# Altium PCB MCU065E1_LAUNCHCC3235MODA_PCB.PcbDoc (part 4 of 4)
Units mil, origin at the board's own origin, x right, y up, seen from the top; angles counter-clockwise.
Board outline 2300 x 4280 mil, 4 copper layers (TOP, GND, PWR, BOTTOM), stack 62 mil thick; 300 components, 199 nets, 970 pads, 475 vias.
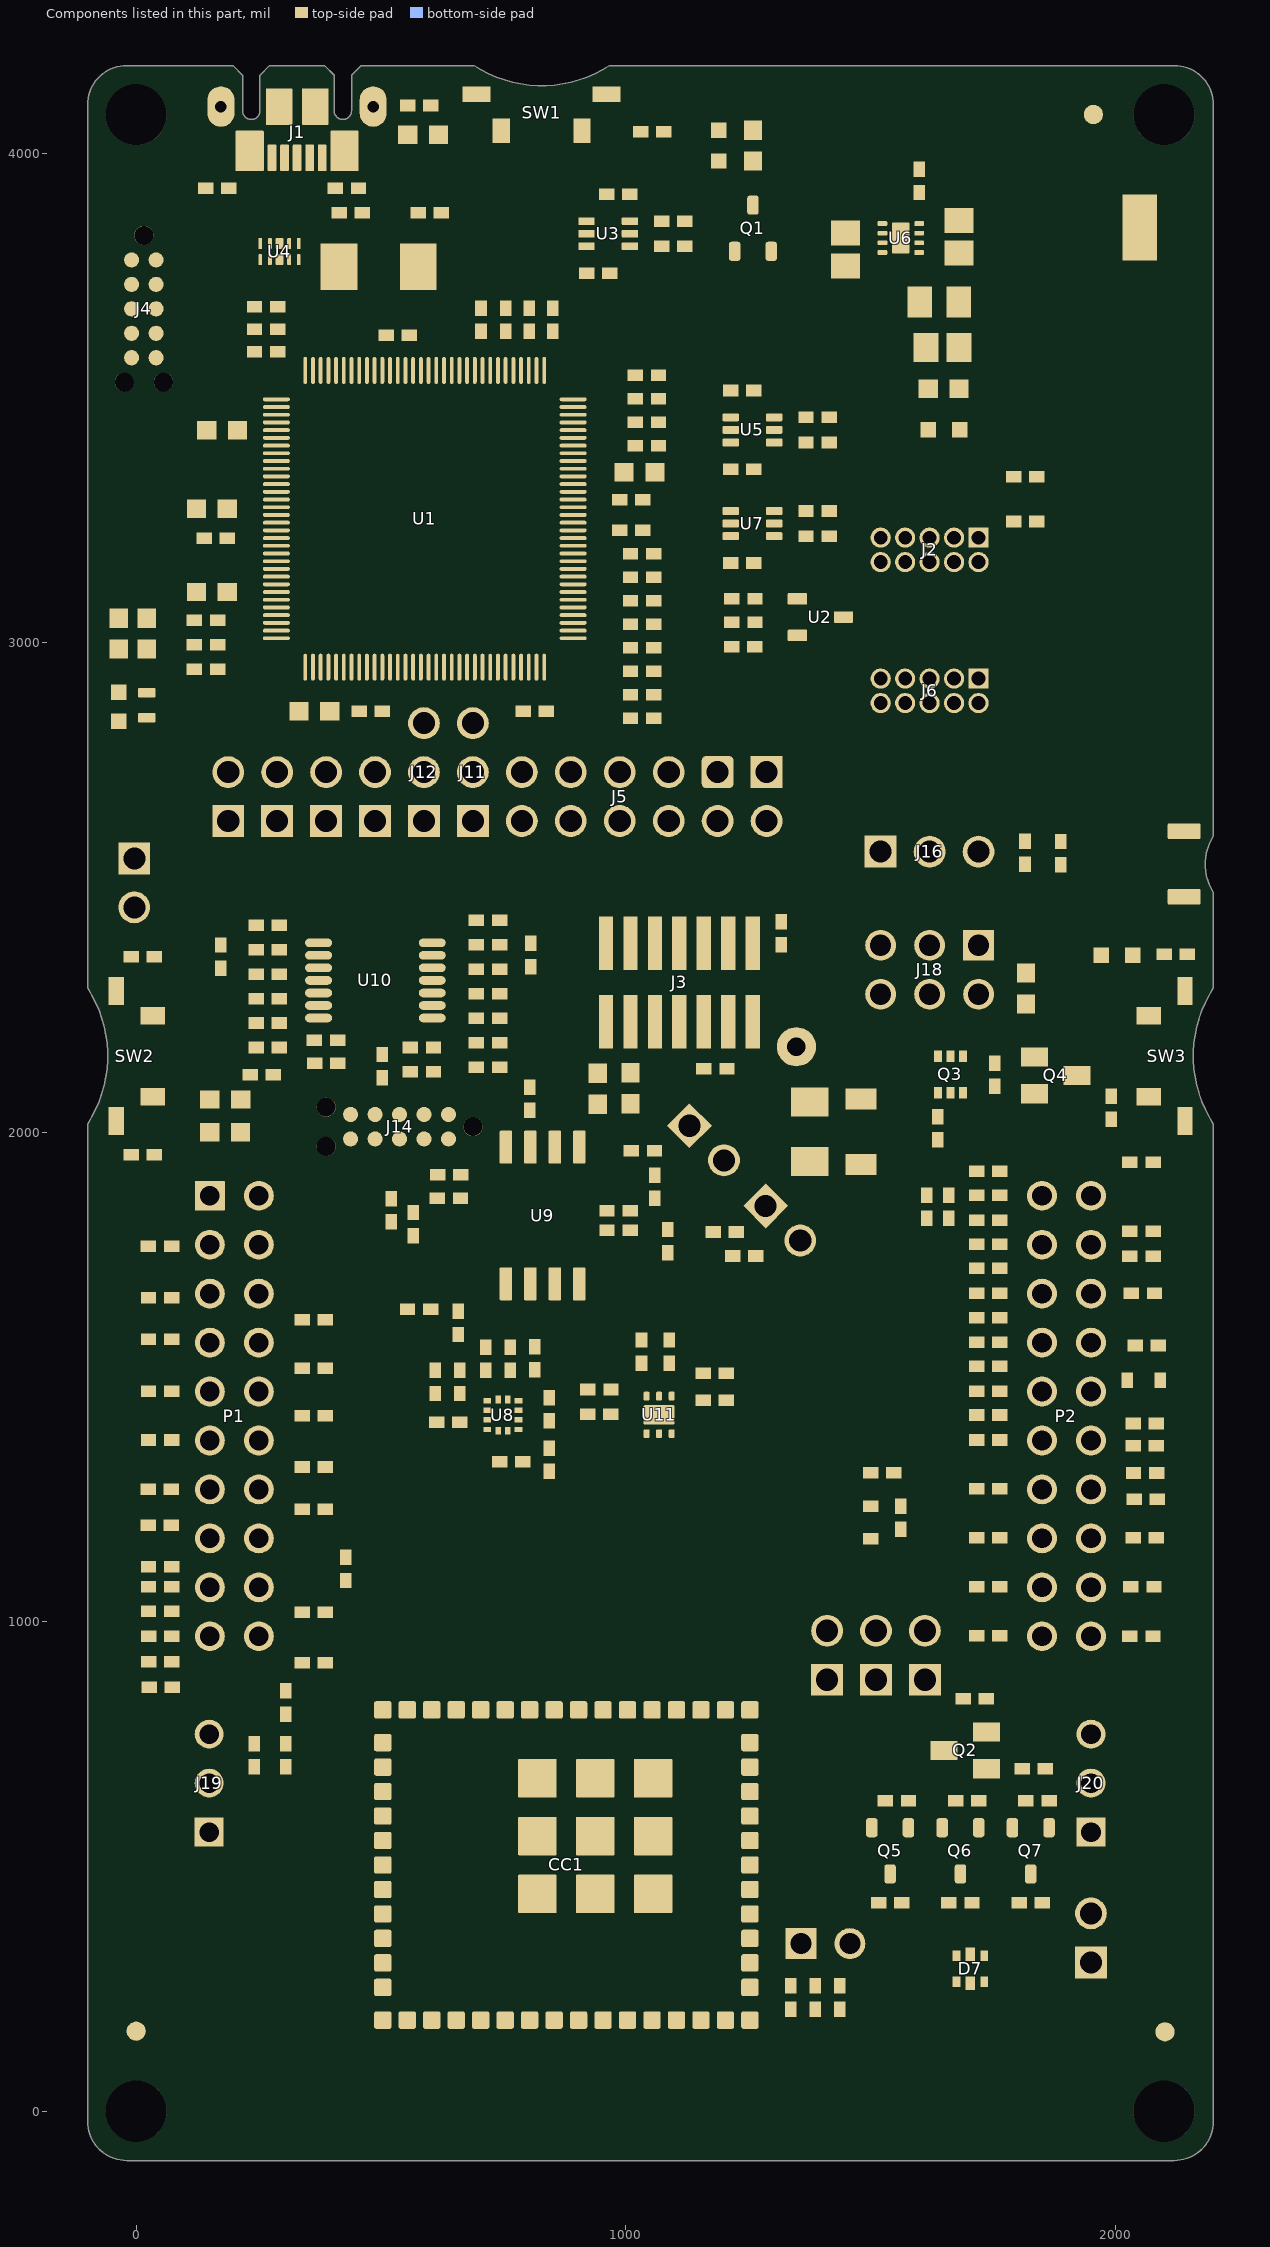
[diagram p6: the components of this part, seen from the top]

## Polygon pours and split planes (outlines as drawn)
no net on M4 3D STEP Bottom "M4 3D STEP Bottom-No Net" (solid, pour order 341): 2155.79,401.26 ccw(c2095.79,401.26) 2095.79,461.26 ccw(c2095.79,401.26) 2035.79,401.26 ccw(c2095.79,401.26) 2095.79,341.26 ccw(c2095.79,401.26) 2155.79,401.26
no net on M4 3D STEP Bottom "M4 3D STEP Bottom-No Net" (solid, pour order 342): 60.79,366.26 ccw(c0.79,366.26) 0.79,426.26 ccw(c0.79,366.26) -59.21,366.26 ccw(c0.79,366.26) 0.79,306.26 ccw(c0.79,366.26) 60.79,366.26
no net on M4 3D STEP Bottom "M4 3D STEP Bottom-No Net" (solid, pour order 340): 2015.79,3726.26 ccw(c1955.79,3726.26) 1955.79,3786.26 ccw(c1955.79,3726.26) 1895.79,3726.26 ccw(c1955.79,3726.26) 1955.79,3666.26 ccw(c1955.79,3726.26) 2015.79,3726.26
GND on TOP "GND_L01_P327" (solid, remove dead copper, pour order 327): -99.1,-100.74 2203.8,-100.74 2203.8,4117.38 2138.8,4182.38 -47.5,4182.38 -99.1,4130.78
VBUS_USB1 on TOP "L3 Signal-No Net" (solid, pour order 325): 1534.45,3807.43 1391.7,3807.43 1378.25,3820.88 1378.25,3883.02 1398.45,3903.22 1480.79,3903.22 1490.45,3893.57 1490.45,3851.56 1495.39,3846.61 1537.4,3846.61 1541.12,3842.89 1541.12,3814.11
VCC_LDO_3V3 on TOP "L3 Signal-No Net" (solid, remove dead copper, pour order 326): 1669.88,3489.43 1728.7,3489.43 1751.99,3512.73 1751.99,3810.28 1735.84,3826.44 1615.61,3826.44 1612.61,3823.43 1612.61,3799.01 1654.29,3757.33 1654.29,3505.03
GND on BOTTOM "GND_L04_P339" (solid, remove dead copper, pour order 339): -99.1,-100.74 2203.8,-100.74 2203.8,4117.38 2138.8,4182.38 -47.5,4182.38 -97.5,4132.38 -97.5,4124.08 -99.1,4132.38
VCC_BRD on BOTTOM "VCC_BRD_L04_P337" (solid, remove dead copper, pour order 337): 2057.55,2644.15 2088.64,2675.25 2088.64,3228.53 1920.48,3396.7 1837.19,3396.7 1812.21,3396.7 1790.73,3375.22 1790.73,3177.95 1881.36,3087.32 1881.36,2987.13 1720.25,2826.02 1389,2826.02 1232.05,2669.06 1232.05,2551.64 1326.07,2457.61 1871.01,2457.61
VBUS_USB1 on BOTTOM "VBUS_USB1_L04_P338" (solid, remove dead copper, pour order 338): 51.88,2994.75 70.47,2976.16 125.75,2976.16 229.68,2872.23 229.68,2698.8 247.53,2680.94 406.96,2680.94 406.96,2683.58 439.86,2716.48 439.86,2904.48 406.96,2937.38 406.96,3312.96 527.47,3433.47 846.63,3433.48 1109.11,3695.97 1376.48,3695.97 1493.72,3813.21 1493.72,3918.79 1368.78,4043.73 1163.57,4043.73 1107.39,3987.54 606.61,3987.54 128.57,3987.54 79,3937.98 79,3746.2 172.95,3652.26 172.95,3503.67 51.88,3382.6
VCC_LDO_3V3 on PWR "PWR-No Net 3" (solid, remove dead copper, pour order 336): -99.21,4188.01 2200.79,4188.01 2200.79,2650.8 -99.21,2650.8
VCC_BRD on PWR "PWR-No Net 2" (solid, remove dead copper, pour order 335): -70.85,2651.9 384.52,2651.9 378.6,2329.9 253,2204.3 253,1970.21 1429,1677.24 1429,1234.2 1409.8,978.7 1409.8,711.6 1409.8,608.7 1107.3,306.2 -96.59,306.2 -100.43,1408.72 -99.21,1708.3 -70.85,1825.15
VBAT_CC on PWR "PWR-No Net 1" (solid, remove dead copper, pour order 334): 1049.92,1711.49 1049.93,1768.6 1015.38,1803.15 237.06,2010.16 237.06,2668.65 1542.9,2668.64 1856.72,2297.02 1856.72,438.3 1674.62,438.3 1654.56,293.87 1388.14,272.26 1397.77,595.55 1419.98,1341.44
GND on PWR "GND_L03_P332" (solid, remove dead copper, pour order 332): 431.08,524.74 572.16,524.74 777.95,730.53 1403.16,730.53 1403.16,289.92 1649.27,289.92 1661.9,-81.9 1664.1,-84.1 1647.46,-100.74 -103.82,-100.74 -92.13,326.1 227.01,320.67
VCC_BRD on PWR "VCC_BRD_L03_P333" (solid, remove dead copper, pour order 333): 1614.61,1945.17 1598.72,1945.17 1575.31,1968.59 1575.31,2002.44 1614.61,2041.74 1614.61,2606.59 1572.12,2649.08 1472.7,2649.08 1342.43,2518.81 582.21,2518.82 536.84,2564.19 536.84,2669.42 528.87,2677.39 433.73,2677.39 403.3,2646.96 403.3,2461.78 384.05,2442.53 -70.59,2434.92 -70.59,2796.96 2200.79,2796.96 2200.79,1257.1 1865.7,1257.1 1865.7,1738.81 1614.61,1944.64
GND on PWR "GND_L03_P330" (solid, remove dead copper, pour order 330): 2107.5,1195.1 2061.5,1257.2 1856.4,1269.2 1856.4,565.53 1733.27,442.4 1684.9,442.4 1667,424.4 1500.1,257.5 1500.1,-96.92 1776.99,-79.41 1786.17,-6.81 1989.6,165.08 1989.6,286.1 2072.85,369.35 2107.5,896.54
VCC_BRD on PWR "VCC_BRD_L03_P329" (solid, remove dead copper, pour order 329): 1656.35,163.28 1656.35,237.76 1758.3,339.7 1808.45,339.7 2067.6,598.84 2067.6,1280.1 2056.8,1290.9 2203.8,1291.9 2203.8,-75.9 2207.8,-79.9 2204.8,-82.9 1656.34,-82.9
VCC_BUFFER on PWR "L3 Signal-No Net" (solid, remove dead copper, pour order 331): 1323.98,2943.63 1235.06,2854.7 1235.06,2815.65 1263.98,2786.73 1381.62,2786.73 1483.34,2888.45 1483.34,2939.26 1516.43,2972.35 1664.3,2972.35 1730.31,2972.35 1838.04,3080.09 1838.04,3168.38 1808.5,3197.92 1808.5,3283.36 1570.69,3521.17 1570.69,3766.03 1373.14,3963.58 1163.65,3963.58 1033.35,3833.28 1033.35,3673.64 1153.72,3553.27 1153.72,3421.02 1189.35,3385.38 1272.5,3385.38 1323.98,3333.91
GND on GND "GND_L02_P328" (solid, remove dead copper, pour order 328): -99.1,-100.74 2203.8,-100.74 2203.8,4117.38 2138.8,4182.38 -47.5,4182.38 -97.5,4132.38 -97.5,4124.08 -99.1,4132.38

## Keep-outs
Keep-Out Layer:
  circle w1: c15.79,3832.26 r32
  circle w1: c55.79,3532.26 r30
  circle w1: c-24.21,3532.26 r30
  circle w1: c0,163.48 r60
  circle w1: c2101.9,162.18 r60
  circle w1: c2101.57,-1.52 r79.5
  circle w1: c388.2,1971.38 r30
  circle w1: c388.2,2051.38 r30
  circle w1: c688.2,2011.38 r32
  circle w1: c0,-1.52 r79.5
  circle w1: c1955.64,4079.33 r60
  lines w1: 222.28,-97.58 222.28,-83 -20,-83 cw(c-20,-20) -83,-20 -83,2017.29 -82.21,2018.08 ccw(c-302.14,2156.76) -82.21,2295.45 -83,2296.24 -83,4098.53 cw(c-20,4098.53) -20,4161.53 197.88,4161.53 207.57,4151.84 207.57,4069.01 ccw(c235.28,4081.93) 263,4069.01 263,4151.84 272.68,4161.53 384.89,4161.53 394.57,4151.84 394.57,4069.01 ccw(c422.29,4081.93) 450.01,4069.01 450.01,4151.84 459.69,4161.53 689.5,4161.53 ccw(c828.09,4381.51) 966.75,4161.57 ; 780.99,-97.58 780.99,-83 2120,-83 ccw(c2120,-20) 2183,-20 2183,2017.26 ; 966.77,4161.53 2120,4161.53 ; 1383.58,4161.53 2120,4161.53 ; 2183.06,2017.26 cw(c2402.98,2155.95) 2183,2294.54 2182.99,2483.26 2121,2483.26 2121,2611.26 2183,2611.26 2183,4098.53 ccw(c2120,4098.53) 2120,4161.53

## Other copper
TOP:
  pour cut-out: 622.3,144.68 618.71,136.98 691.76,136.98 686.21,144.68
  pour cut-out: 173.93,3405.65 177.55,3405.65 179.55,3407.65 179.55,3461.05 177.55,3463.05 173.93,3463.05
  pour cut-out: 153.05,3302.19 156.68,3302.19 158.68,3300.19 158.68,3246.79 156.68,3244.79 153.05,3244.79
  pour cut-out: 153.05,3132.34 156.68,3132.34 158.68,3130.34 158.68,3076.94 156.68,3074.94 153.05,3074.94
  pour cut-out: 45.42,2881.04 45.42,2863.58 -61.23,2863.58 -61.23,2875.14 -20.37,2875.14 -14.47,2881.04
  pour cut-out: 361.88,2831.4 368.81,2831.4 368.81,2879.59 361.88,2879.59
  pour cut-out: 50.37,3020.34 -63.83,3020.34 -63.83,3016.37 -62.18,3014.72 48.37,3014.72 50.37,3016.72
  pour cut-out: -99.21,136.98 2200.79,136.98 2200.79,-99.62 -99.21,-99.62
  pour cut-out: 686.21,236.99 686.21,144.68 621.66,144.68 621.66,236.91
  text ".layer_Name" at -465.21,-1154.21 h60
GND:
  pour cut-out: 979.65,2784.19 979.65,2773.17 981.26,2771.56 993.17,2771.56 994.18,2772.57 994.18,2783.18 991.44,2785.92 981.38,2785.92
  pour cut-out: 1096.58,3469.94 1096.58,3529.33 1099.49,3532.25 1105.33,3532.25 1108.41,3529.17 1108.41,3469.16 1105.79,3466.54 1099.98,3466.54
  pour cut-out: -99.21,136.98 2200.79,136.98 2200.79,-99.62 -99.21,-99.62
  text ".layer_Name" at -465.21,-1154.21 h60
PWR:
  pour cut-out: 355.99,2432.31 355.99,2413.97 363.04,2413.97 364.21,2415.14 364.21,2431.11 363.01,2432.31
  pour cut-out: -99.21,136.98 2200.79,136.98 2200.79,-99.62 -99.21,-99.62
  text ".layer_Name" at -465.21,-1154.21 h60
BOTTOM:
  region net SOP0: 788.75,257.91
  pour cut-out: 1096.58,3469.94 1096.58,3529.33 1099.49,3532.25 1105.33,3532.25 1108.41,3529.17 1108.41,3469.16 1105.79,3466.54 1099.98,3466.54
  pour cut-out: 773.96,3727.62 833.35,3727.62 836.26,3724.7 836.26,3718.87 833.18,3715.79 773.17,3715.79 770.55,3718.41 770.55,3724.22
  pour cut-out: 1080.79,3131.86 1080.79,3111.42 1088.9,3103.31 1120.32,3103.31 1126.68,3109.66 1126.68,3139.18 1120.05,3145.81 1094.74,3145.81
  pour cut-out: -99.21,136.98 2200.79,136.98 2200.79,-99.62 -99.21,-99.62
  text ".layer_Name" at -465.21,-1154.21 h60

## Silkscreen, mask and mechanical layers (free items; w line width, h text height)
SILKSCREEN TOP:
  drawing of 4383 lines, arcs and shapes, not listed
  text "RESET" at 1150.16,3967.53 h30 r90
  text "RESET" at 766.83,3936.04 h30
  text "3V3" at 1740.67,3461.56 h30
  text "XDS110 / OUT" at 1537.41,3298.92 h30
  text "'.PRJ_Number''.PCB_Rev'" at 2157.66,3232.13 h30 r90
  text "JTAG IN" at 1522.52,3024.17 h30
  text "VBuffer" at 1303.04,2812.01 h30 r90
  text "PCB Rev. .PCB_Rev" at 2157.27,2808.83 h30 r90
  text "XDS110 Debug Probe" at 1423.97,2718.77 h40
  text "SOP Pull-Up" at 1483,2569.76 h50
  text "TX" at 707.95,2516.25 h30 r90
  text "RX" at 603.59,2513.11 h30 r90
  text "5V" at 404.75,2510.26 h30 r90
  text "TDI" at 1202.52,2509.54 h30 r90
  text "BRD" at 203.68,2486.4 h30 r90
  text "RST" at 802.45,2486.4 h30 r90
  text "TCK" at 1004.45,2486.4 h30 r90
  text "TDO" at 1102.5,2486.69 h30 r90
  text "BRD" at 1305.29,2486.4 h30 r90
  text "TMS" at 904.43,2484.83 h30 r90
  text "GND" at 310.28,2483.26 h30 r90
  text "VBAT" at 505.16,2456.55 h30 r90
  text "VCC_BRD" at 1747.18,2455.56 h22
  text "VBAT_CC" at 1348.04,2445.25 h22
  text "FRST" at 1953.1,2400.78 h25
  text "OPAMP EN" at 102.12,2400.14 h30 r90
  text "ET POD" at 906,2290 h30 r90
  text "SOP" at 1457.77,2282.91 h40 r90
  text "0" at 1734.86,2217.75 h25 r180
  text "2" at 1513.93,2191.38 h25
  text "1" at 1617.53,2190.64 h25
  text "(P15)" at 1946.23,2149 h25
  text "(P04)" at 74.2,2147.87 h25
  text "P1" at 81.01,1922.43 h30
  text "P3" at 278.51,1921.74 h30
  text "21" at 213.8,1920.78 h25
  text "1" at 164.5,1920.08 h25
  text "*" at 1665.99,1918.54 h30
  text "P02" at 1596.39,1907.16 h25
  text "*" at -19.41,1782.22 h25
  text "*" at 1661.46,1758.72 h30
  text "P58" at -83.45,1756.97 h25
  text "P01" at 1596.39,1755.68 h25
  text "P18" at 2120.33,1755.68 h25
  text "SDA" at 1200,1683 h30
  text "*" at 1664.92,1667.49 h30
  text "P04" at -83.45,1659.65 h25
  text "P57" at 328.8,1659.65 h25
  text "P17" at 1596.39,1655.55 h25
  text "P08" at 2120.33,1655.55 h25
  text "SCL" at 1203,1619 h30
  text "*" at 1661.46,1566.25 h30
  text "P03" at -83.45,1560.47 h25
  text "P60" at 328.8,1560.47 h25
  text "P64" at 1596.39,1553.52 h25
  text "*" at 1661.46,1470.67 h30
  text "RST" at 2170.6,1459.76 h25 r90
  text "P61" at -83.45,1458 h25
  text "P58" at 328.8,1458 h25
  text "P21" at 1605.88,1453.55 h25
  text "*" at 1666.24,1384.42 h30
  text "*" at -21.47,1384.18 h25
  text "P18" at 1610.14,1363.77 h25
  text "P07" at 2120.33,1363.59 h25
  text "P59" at -83.45,1357 h25
  text "P59" at 328.8,1357 h25
  text "SENSORS" at 1033.99,1278.98 h30
  text "P05" at -83.45,1260 h25
  text "P63" at 328.8,1260 h25
  text "P06" at 2120.33,1257.45 h25
  text "P62" at 1603.37,1256.22 h25
  text "P62" at -83.45,1161.46 h25
  text "P53" at 328.8,1161.46 h25
  text "P21" at 2120.33,1160.88 h25
  text "P60" at 1605.76,1157.51 h25
  text "P16" at 1612.22,1060.51 h25
  text "P01" at -83.45,1060 h25
  text "P64" at 328.8,1060 h25
  text "P55" at 2120.33,1058.16 h25
  text "P17" at 1714.47,1005.12 h25
  text "P02" at -83.45,958.83 h25
  text "P50" at 328.8,958.83 h25
  text "P15" at 2120.33,958.79 h25
  text "RST PU" at 1314.92,409.43 h30
  text "SILKSCREEN TOP" at -467.21,-1156.21 h60
SILKSCREEN BOTTOM:
  drawing of 4377 lines, arcs and shapes, not listed
  text "CC3235MODA" at 1190.68,3701.27 h72.83
  text "LaunchPad™ Development kit" at 1176.7,3591.28 h72.83
  text "www.ti.com/launchpad" at 1547.59,3328.68 h100
  text "SOP (2:0)" at 2150.61,3322.14 h45
  text "100  :  FLASH" at 2150.74,3270.07 h45
  text "000  :  4W JTAG" at 2150.94,3211.07 h45
  text "001  :  2W SWD" at 2152.14,3158.07 h45
  text "010  :  FLASH/FUNC" at 2151.54,3105.35 h45
  text "XDS110 OUT" at 1755.5,2980.65 h45
  text "VBuffer" at 1264.94,2770.21 h45 r270
  text "JTAG IN" at 1753.7,2710.98 h45
  text "SOP Pull-Up" at 1766.75,2569.72 h50
  text "TX" at 671.92,2516.47 h30 r270
  text "RX" at 572.01,2513.32 h30 r270
  text "5V" at 375.13,2510.47 h30 r270
  text "TDI" at 1174.05,2509.75 h30 r270
  text "BRD" at 174.08,2486.62 h30 r270
  text "RST" at 773.45,2486.62 h30 r270
  text "TCK" at 972.29,2486.62 h30 r270
  text "TDO" at 1073.82,2486.9 h30 r270
  text "BRD" at 1274.61,2486.62 h30 r270
  text "TMS" at 872.06,2485.04 h30 r270
  text "GND" at 273.27,2483.47 h30 r270
  text "VBAT" at 472.11,2456.76 h30 r270
  text "SOP" at 1664.7,2440.48 h40
  text "OPAMP EN" at 76.43,2402.2 h30 r270
  text "SDA" at 1240.93,1991.85 h30 r315
  text "P4" at 1801.53,1963.4 h30
  text "P1" at 118.17,1962.24 h30
  text "P3" at 330.03,1962.24 h30
  text "P2" at 2030.03,1962.25 h30
  text "1" at 167,1948.48 h35
  text "21" at 266,1948.48 h35
  text "40" at 1878,1948.48 h35
  text "20" at 1969,1948.48 h35
  text "P02" at 1777.79,1853.26 h35
  text "SCL" at 1390.49,1834.86 h30 r315
  text "P01" at 1777.79,1758.26 h35
  text "P18" at 2098.45,1758.26 h35
  text "P58" at 80,1750.88 h31
  text "P17" at 1777.79,1656.26 h35
  text "P08" at 2098.45,1656.26 h35
  text "P04" at 80,1652.88 h35
  text "P57" at 399.7,1652.88 h35
  text "P03" at 80,1562.18 h35
  text "P60" at 399.7,1562.18 h35
  text "P64" at 1777.79,1555.26 h35
  text "P45" at 2098.45,1555.26 h35
  text "P61" at 80,1464.58 h35
  text "P58" at 399.7,1464.58 h35
  text "P21" at 1777.79,1455.26 h35
  text "RST" at 2098.45,1455.26 h35
  text "P18" at 1777.79,1357.88 h35
  text "P07" at 2098.45,1357.88 h35
  text "P59" at 80,1355.98 h33
  text "P59" at 399.7,1353.98 h35
  text "P62" at 1777.79,1257.26 h35
  text "P06" at 2098.45,1257.26 h35
  text "P05" at 80,1248.26 h35
  text "P63" at 399.7,1248.26 h35
  text "P60" at 1777.79,1155.26 h35
  text "P21" at 2098.45,1155.26 h35
  text "P62" at 80,1140.28 h35
  text "P53" at 399.7,1140.28 h35
  text "P16" at 1777.79,1055.26 h35
  text "P55" at 2098.45,1055.26 h35
  text "P01" at 80,1048.26 h35
  text "P64" at 399.7,1048.26 h35
  text "P17" at 1777.79,955.26 h35
  text "P15" at 2098.45,955.26 h35
  text "P02" at 80,948.26 h35
  text "P50" at 399.7,948.26 h35
  text "30" at 269.16,856.26 h35
  text "31" at 1869.3,855.48 h35
  text "11" at 1963.2,856.28 h35
  text "10" at 166.39,854.26 h35
  text "RST PU" at 1462.89,409.46 h30
  text "SILKSCREEN BOTTOM" at -465.6,-1156.9 h60
Top Paste:
  text ".layer_Name" at -467.21,-1136.22 h60
Top Solder:
  text ".layer_Name" at -467.21,-1136.22 h60
Bottom Solder:
  text ".layer_Name" at -467.21,-1156.21 h60
M1  Board Outline:
  the board outline again, w10
  text "BOARD OUTLINE" at -463.74,-1156.53 h60
M2 Board Dimensions:
  circle w4: c324.86,4114.66 r192.32
  lines w10: 198.74,5584.51 689.56,5584.51 ; 314.19,5362.14 333.87,5342.46 333.87,5269.62 ccw(c351.59,5269.62) 369.3,5269.62 369.31,5342.46 388.99,5362.14 501.19,5362.14 520.88,5342.46 520.88,5269.62 ccw(c538.6,5269.62) 556.31,5269.62 ; 556.31,5269.62 556.31,5342.46 576,5362.14 ; -112.42,4824.91 960.17,4824.91 960.17,5749.43 -112.42,5749.43 -112.42,4824.91
  text "DETAIL A" at 224.79,5613.3 h60
  text "BOARD DIMENSIONS" at -465.55,-1160.15 h60
M4 3D STEP Bottom:
  text "This is the universal DXF file that is provided to Customers," at 3178.55,-588.85 h23.58
AST:
  circle w6: c78.79,567.26 r10
  circle w6: c78.79,567.26 r10
  region: 1328.27,1897.45 1302.72,1923 1293,1913.28 1318.55,1887.74
  region: 1172.47,2061.15 1146.92,2086.7 1137.2,2076.98 1162.75,2051.44
  rectangle: 1282.19,2785.86 1318.32,2799.61
  region: 1713.23,523.69 1713.23,487.56 1726.97,487.56 1726.97,523.69
  rectangle: -9.51,2609.28 26.61,2623.02
  region: 388.93,3785.89 388.93,3822.02 375.19,3822.02 375.19,3785.89
  region: 1641.81,831.5 1605.69,831.5 1605.69,817.76 1641.81,817.76
  region: 1541.81,831.5 1505.69,831.5 1505.69,817.76 1541.81,817.76
  region: 1441.81,831.5 1405.69,831.5 1405.69,817.76 1441.81,817.76
  region: 1295.28,381.8 1295.28,345.67 1309.03,345.67 1309.03,381.8
  region: 1735.85,278.97 1735.85,259.7 1743.88,259.7 1743.88,278.97
  region: 1756.75,3221.23 1756.75,3257.36 1743,3257.36 1743,3221.23
  region: 1756.75,2933.23 1756.75,2969.36 1743,2969.36 1743,2933.23
  region: 1471,2567.44 1471,2603.57 1457.26,2603.57 1457.26,2567.44
  rectangle: 1192.03,2785.86 1228.16,2799.61
  rectangle: 682.19,2572.12 718.31,2585.86
  rectangle: 582.19,2572.12 618.31,2585.86
  rectangle: 482.19,2572.12 518.31,2585.86
  rectangle: 382.19,2572.12 418.31,2585.86
  rectangle: 282.19,2572.12 318.31,2585.86
  rectangle: 182.19,2572.12 218.31,2585.86
  lines w10: -1273.71,-1222.38 5326.29,-1222.38 ; -1273.71,-1019.05 5328.29,-1019.05 ; -1273.71,-815.71 -1273.71,-1425.71 2731.29,-1425.71 5328.29,-1425.71 5328.29,-815.71 -1273.21,-815.71 -1273.21,-1425.71 302.29,-1425.71 ; 1191.29,-1425.71 1191.29,-815.71 ; 2458.29,-1019.05 2458.29,-815.71 ; 3298.29,-1019.05 3298.29,-815.71 ; 3920.29,-1432.21 3920.29,-1229.38
  text "COMPONENTS MARKED 'DNP' SHOULD NOT BE POPULATED." at 171.79,-610.71 h35
  text "ASSEMBLY VARIANT:" at 171.29,-726.21 h35
  text ".VariantName" at 1207.29,-726.21 h35
  text "PCB VIEWED FROM TOP SIDE" at -1210.21,-947.88 h35
  text "BOARD #:" at 1266.29,-947.88 h35
  text ".PRJ_Number" at 1811.79,-947.88 h35
  text "REV:" at 2656.29,-947.88 h35
  text ".PCB_Rev" at 2947.79,-947.88 h35
  text "SVN REV:" at 3494.29,-947.88 h35
  text ".VersionControl_RevNumber" at 4000.29,-947.88 h35
  text "TOP ASSEMBLY DRAWING" at -1210.21,-1150.71 h35
  text "GENERATED    :" at 1268.29,-1356.55 h35
  text ".Print_Date" at 2137.79,-1356.55 h35
  text ".Print_Time" at 2866.79,-1356.55 h35
  text "TEXAS INSTRUMENTS" at 4131.29,-1356.55 h35
ASB:
  lines w10: -1274.21,-1019.55 5327.79,-1019.55 ; -1272.21,-1222.88 5327.79,-1222.88 ; 133.79,-1432.71 133.79,-1229.88 ; 755.79,-1019.55 755.79,-816.21 ; 1595.79,-1019.55 1595.79,-816.21 ; 2862.79,-1426.21 2862.79,-816.21 ; 3751.79,-1426.21 5327.29,-1426.21 5327.29,-816.21 -1274.21,-816.21 -1274.21,-1426.21 1322.79,-1426.21 5327.79,-1426.21 5327.79,-816.21
  text "COMPONENTS MARKED 'DNP' SHOULD NOT BE POPULATED." at 5120.29,-610.21 h35
  text ".VariantName" at 4076.29,-726.21 h35
  text "ASSEMBLY VARIANT:" at 5115.29,-726.21 h35
  text ".VersionControl_RevNumber" at 53.79,-948.38 h35
  text "SVN REV:" at 559.79,-948.38 h35
  text ".PCB_Rev" at 1106.29,-948.38 h35
  text "REV:" at 1397.79,-948.38 h35
  text ".PRJ_Number" at 2242.29,-948.38 h35
  text "BOARD #:" at 2787.79,-948.38 h35
  text "PCB VIEWED FROM BOTTOM SIDE" at 5264.29,-948.38 h35
  text "BOTTOM ASSEMBLY DRAWING" at 5264.29,-1152.71 h35
  text "TEXAS INSTRUMENTS" at -77.21,-1357.05 h35
  text ".Print_Time" at 1187.29,-1357.05 h35
  text ".Print_Date" at 1916.29,-1357.05 h35
  text "GENERATED    :" at 2785.79,-1357.05 h35
M9 Title Sheet:
  drawing of 56 lines, arcs and shapes, not listed
  text "1" at -252.91,7735.73 h70
  text "2" at 2242.75,7735.73 h70
  text "3" at 4732.1,7735.73 h70
  text "4" at 7238.77,7735.73 h70
  text "5" at 9737.75,7735.73 h70
  text "6" at 12242.75,7735.73 h70
  text "A" at -1409.25,6592.73 h70
  text "A" at 13390.75,6592.73 h70
  text "B" at -1409.25,4212.73 h70
  text "B" at 13390.75,4212.73 h70
  text "C" at -1409.25,1837.73 h70
  text "C" at 13390.75,1837.73 h70
  text "PROJECT TITLE:" at 10350.75,-23.27 h45
  text ".PRJ_Title" at 10400.75,-156.6 h70
  text "DESIGNED FOR:" at 10350.75,-324.27 h45
  text ".PRJ_Customer" at 10400.75,-464.27 h70
  text "D" at -1409.25,-532.27 h70
  text "D" at 13390.75,-532.27 h70
  text "FILE NAME:" at 10350.75,-624.27 h45
  text ".PCB_File_Name_No_Path" at 10400.75,-744.27 h70
  text "Texas Instruments (TI) and/or its licensors do not warrant the accuracy or completeness of this specification" at 5381.25,-906.11 h45
  text "ENGINEER:" at 10350.75,-914.27 h45
  text "LAYOUT BY:" at 11855.75,-914.27 h45
  text "or any information contained therein. TI and/or its licensors do not warrant that this design will meet" at 5336.27,-1018.77 h45
  text ".PRJ_Engineer" at 10400.75,-1069.26 h70
  text ".PCB_Layout" at 11906.25,-1069.26 h70
  text "the specifications, will be suitable for your application or fit for any particular purpose, or will operate in" at 5336.27,-1131.44 h45
  text "ALTIUM DESIGNER VERSION:" at 11855.75,-1224.27 h45
  text "an implementation. TI and/or its licensors do not warrant that the design is production worthy. You should" at 5336.27,-1244.1 h45
  text "completely validate and test your design implementation to confirm the system functionality for your application." at 5381.25,-1356.77 h45
  text ".print_Scale" at 10400.75,-1357.6 h70
  text ".Application_BuildNumber" at 11906.25,-1357.6 h70
  text "1" at -252.91,-1564.27 h70
  text "2" at 2242.75,-1564.27 h70
  text "3" at 4732.1,-1564.27 h70
  text "4" at 7238.77,-1564.27 h70
  text "5" at 9737.75,-1564.27 h70
  text "WO # : 307464-7462-D" at 12242.75,-1564.27 h70
M10 Fab Notes:
  drawing of 201 lines, arcs and shapes, not listed
  text "ADDITIONAL NOTE :" at -978.48,7127.45 h100
  text "THE SOLDER MASK IMAGES THAT ARE THE SAME SIZE AS THE COMPONENT PADS MAY BE ENLARGED AS PER THE MANUFACTURING CAPABILITIES" at -794.46,6900.05 h100
  text "BUT NOT BEYOND 0.08MM PER SIDE OR 0.15MM OVERALL. ALL OTHER SOLDER MASK IMAGES SHALL NOT BE MODIFIED." at -794.46,6738.09 h100
  text "DESIGN INFORMATION" at 11388.27,6144.23 h60
  text "MIN. TRACK WIDTH:" at 10743.71,5964.23 h60
  text "MIL" at 11994.71,5964.23 h60
  text "6" at 11835.79,5962.79 h60
  text "5" at 11841.45,5835.24 h60
  text "MIN. CLEARANCE:" at 10743.71,5832.23 h60
  text "MIL" at 11994.71,5832.23 h60
  text "19.7" at 11756.98,5701.36 h60
  text "MIN. VIA PAD SIZE:" at 10743.71,5700.23 h60
  text "MIL" at 11994.71,5700.23 h60
  text "0.05mm (2MIL)" at 11510.95,5563.21 h60
  text "EXTERNAL" at 12289,5560 h60
  text "MINIMUM ANNULAR RING" at 10414.48,5554.23 h60
  text "PER" at 10614.48,5436.23 h60
  text "IPC-D-275 CLASS 2 LEVEL C" at 10834.48,5436.23 h60
  text "MIL, HOLES" at 12322.71,5323.94 h60
  text "+/-" at 11930.25,5323.23 h60
  text "+/-" at 12784.25,5323.23 h60
  text "REGISTRATION TOLERANCES:" at 10414.48,5318.23 h60
  text "METAL" at 11614.25,5318.23 h60
  text "5" at 12190.46,5318.23 h60
  text "3" at 13023.46,5318.23 h60
  text "MIL" at 13139.71,5318.23 h60
  text "MATERIAL:" at 10339.71,5108.77 h60
  text "FR-4 High Tg" at 11326.16,4968.44 h60
  text "FR-408" at 10760.72,4959.87 h60
  text "OTHER" at 12248.71,4959.87 h60
  text "X" at 12066.51,4945.48 h60
  text "FR-4 High TG / Halogen-Free" at 12606.06,4893.62 h60
  text "1.4mm+/-10%" at 12612.25,4799.23 h60
  text "62 MIL (1.6mm) +/-10%" at 11080.82,4797.15 h60
  text "THICKNESS:" at 10414.48,4792.87 h60
  text "X" at 10949.25,4792.87 h60
  text "OTHER" at 12345.71,4792.87 h60
  text "TOLERANCE:" at 10414.48,4634.87 h60
  text "X" at 11253.79,4634.87 h60
  text "ANSI IPC-6012 TYPE 3 CLASS 2" at 11440.73,4634.87 h60
  text "OTHER +/-" at 11440.71,4478.87 h60
  text "BOW & TWIST:" at 10414.48,4321.87 h60
  text "X" at 11253.79,4321.87 h60
  text "ANSI IPC-6012 TYPE 3 CLASS 2" at 11440.73,4321.87 h60
  text "OTHER +/-" at 11440.71,4163.36 h60
  text "COPPER THICKNESS (FINISHED):" at 10393.25,3906.93 h60
  text "1.4MIL (1oz)" at 12645.25,3759.21 h60
  text "INNER SIGNAL:" at 11833.17,3754.93 h60
  text "X" at 12518.21,3754.93 h60
  text "1.4MIL (1oz)" at 11273.25,3754.21 h60
  text "OUTER:" at 10750.25,3749.93 h60
  text "X" at 11144.79,3749.29 h60
  text "DRILLING:" at 10339.71,3489.87 h60
  text "REFERENCE:" at 10414.48,3372.87 h60
  text "X" at 11062.71,3372.87 h60
  text "AS SHOWN" at 11249.71,3372.87 h60
  text "X" at 11963.71,3372.87 h60
  text "NC_DRILL FILES" at 12100.71,3372.87 h60
  text "PTH MIN COPPER THICKNESS:" at 10414.48,3214.87 h60
  text "X" at 11764.71,3214.87 h60
  text "1MIL" at 11901.71,3214.87 h60
  text "OTHER" at 12398.71,3214.87 h60
  text "BOARD FINISH:" at 10339.71,3055.87 h60
  text "SILKSCREEN:" at 10494.94,2937.87 h60
  text "X" at 11443.71,2937.87 h60
  text "TOP" at 11569.71,2937.87 h60
  text "X" at 11953.71,2937.87 h60
  text "BOTTOM" at 12080.71,2937.87 h60
  text "SILKSCREEN COLOR:" at 10494.94,2770.87 h60
  text "X" at 11442.67,2770.87 h60
  text "WHITE" at 11569.71,2770.87 h60
  text "OTHER" at 12080.71,2770.87 h60
  text "SOLDER RESIST COLOR:" at 10494.94,2600.87 h60
  text "X" at 12167.68,2446.67 h60
  text "GREEN" at 11189.71,2441.67 h60
  text "BLUE" at 11780.71,2441.67 h60
  text "OTHER" at 12318.71,2441.67 h60
  text "RED" at 12708.71,2436.67 h60
  text "IMMERSION GOLD (ENIG)" at 11400.71,2253.15 h60
  text "ENEPIG" at 12738.25,2249.87 h60
  text "SURFACE FINISH:" at 10339.71,2248.87 h60
  text "X" at 11213.77,2248.87 h60
  text "IMM. TIN/SILVER OR EQUIV" at 10669.25,2091.87 h60
  text "OTHER" at 12100.71,2091.87 h60
  text "ARRAY/PANEL:" at 10339.71,1912.87 h60
  text "CUT AND TRIM PER MECH LAYER 1" at 11400.72,1908.58 h60
  text "N.C. ROUTE" at 11400.71,1756.87 h60
  text "X" at 12079.71,1756.87 h60
  text "V. SCORE" at 12266.71,1756.87 h60
  text "CERTIFICATION:" at 10339.71,1619.87 h60
  text "MATERIALS AND WORKMANSHIP FOR ALL PCBS" at 11064.71,1619.87 h60
  text "TO MEET OR EXCEED THE REQUIREMENTS OF:" at 11064.71,1521.87 h60
  text "X" at 10691.22,1385.36 h60
  text "ANSI IPC-A-600F CLASS ->" at 10830.22,1385.36 h60
  text "X" at 12469.27,1385.36 h60
  text "2" at 12588.22,1385.36 h60
  text "1" at 12273.22,1383.87 h60
  text "3" at 12942.22,1383.87 h60
  text "X" at 10693.27,1225.87 h60
  text "UL 94V-0" at 10830.22,1225.87 h60
  text "X" at 11505.27,1225.87 h60
  text "RoHS" at 11642.22,1225.87 h60
  text "OTHER" at 12286.62,1225.87 h60
  text "PER ORDER" at 12683.68,1225.87 h60
  text "ADDITIONAL REQUIREMENTS:" at 10339.71,1084.87 h60
  text "X" at 12321.27,985.87 h60
  text "YES" at 12457.22,983.87 h60
  text "NO" at 12911.22,983.87 h60
  text "VIA TENTING:" at 11561.79,978.79 h60
  text "MICROSECTION:" at 10414.48,969.87 h60
  text "YES" at 11320.22,969.87 h60
  text "REQUIRED" at 12181.71,813.72 h60
  text "BARE BOARD ELEC. TEST:" at 10414.48,810.87 h60
  text "NONE" at 11720.22,810.87 h60
  text "X" at 12054.71,810.87 h60
  text "PER ORDER" at 12773.71,810.87 h60
  text "MANUFACTURER'S UL:" at 10414.48,653.87 h60
  text "RAIL" at 11580.22,649.58 h60
  text "METAL" at 12072.03,649.58 h60
  text "SILK" at 12583.71,649.58 h60
  text "X" at 12447.25,649.23 h60
  text "FAB NOTES" at -461.93,-1152.91 h60
M11 Gerber Information:
  lines w10: -1284.75,-1230.94 5315.25,-1230.94 ; -1284.75,-1027.6 5317.25,-1027.6 ; -1284.75,-824.27 -1284.75,-1434.27 2720.25,-1434.27 5317.25,-1434.27 5317.25,-824.27 -1284.25,-824.27 -1284.25,-1434.27 291.25,-1434.27 ; 1180.25,-1434.27 1180.25,-824.27 ; 2447.25,-1027.6 2447.25,-824.27 ; 3287.25,-1027.6 3287.25,-824.27 ; 3909.25,-1440.77 3909.25,-1237.94
  text "ALL ARTWORK VIEWED FROM TOP SIDE" at -1221.25,-956.44 h35
  text "BOARD #:" at 1255.25,-956.44 h35
  text ".PRJ_Number" at 1800.75,-956.44 h35
  text "REV:" at 2645.25,-956.44 h35
  text ".PCB_Rev" at 2936.75,-956.44 h35
  text "SVN REV:" at 3483.25,-956.44 h35
  text ".VersionControl_RevNumber" at 3989.25,-956.44 h35
  text "LAYER NAME =" at -1221.25,-1159.26 h35
  text "GENERATED    :" at 1257.25,-1365.11 h35
  text ".Print_Date" at 2126.75,-1365.11 h35
  text ".Print_Time" at 2855.75,-1365.11 h35
  text "TEXAS INSTRUMENTS" at 4120.25,-1365.11 h35
M12 Stackup:
  drawing of 296 lines, arcs and shapes, not listed
  text "LAYER STACK-UP :" at 4248.19,5847.83 h100
  text "Layer" at 4252.11,5694.9 h60
  text "Name" at 4662.02,5694.9 h60
  text "Material" at 5791.7,5694.9 h60
  text "Thickness" at 6651.47,5694.9 h60
  text "Constant" at 7301.3,5694.9 h60
  text "Board Layer Stack" at 7871.16,5694.9 h60
  text "1" at 4252.11,5574.9 h60
  text "SILKSCREEN TOP" at 4662.02,5574.9 h60
  text "2" at 4252.11,5454.9 h60
  text "Top Solder" at 4662.02,5454.9 h60
  text "Solder Resist" at 5791.7,5454.9 h60
  text "0.40mil" at 6651.47,5454.9 h60
  text "3.5" at 7301.3,5454.9 h60
  text "3" at 4252.11,5334.9 h60
  text "TOP" at 4662.02,5334.9 h60
  text "Copper" at 5791.7,5334.9 h60
  text "1.40mil" at 6651.47,5334.9 h60
  text "4" at 4252.11,5214.9 h60
  text "Dielectric1" at 4662.02,5214.9 h60
  text "FR-4 High Tg" at 5791.7,5214.9 h60
  text "16.00mil" at 6651.47,5214.9 h60
  text "4.5" at 7301.3,5214.9 h60
  text "5" at 4252.11,5094.9 h60
  text "GND" at 4662.02,5094.9 h60
  text "Copper" at 5791.7,5094.9 h60
  text "0.60mil" at 6651.47,5094.9 h60
  text "6" at 4252.11,4974.9 h60
  text "Dielectric2" at 4662.02,4974.9 h60
  text "FR-4 High Tg" at 5791.7,4974.9 h60
  text "26.00mil" at 6651.47,4974.9 h60
  text "4.5" at 7301.3,4974.9 h60
  text "7" at 4252.11,4854.9 h60
  text "PWR" at 4662.02,4854.9 h60
  text "Copper" at 5791.7,4854.9 h60
  text "0.60mil" at 6651.47,4854.9 h60
  text "8" at 4252.11,4734.9 h60
  text "Dielectric3" at 4662.02,4734.9 h60
  text "FR-4 High Tg" at 5791.7,4734.9 h60
  text "16.00mil" at 6651.47,4734.9 h60
  text "4.5" at 7301.3,4734.9 h60
  text "9" at 4252.11,4614.9 h60
  text "BOTTOM" at 4662.02,4614.9 h60
  text "Copper" at 5791.7,4614.9 h60
  text "1.40mil" at 6651.47,4614.9 h60
  text "10" at 4252.11,4494.9 h60
  text "Bottom Solder" at 4662.02,4494.9 h60
  text "Solder Resist" at 5791.7,4494.9 h60
  text "0.40mil" at 6651.47,4494.9 h60
  text "3.5" at 7301.3,4494.9 h60
  text "11" at 4252.11,4374.9 h60
  text "SILKSCREEN BOTTOM" at 4662.02,4374.9 h60
  text "THIS IS AN IMPEDANCE CONTROLLED BOARD." at 4680.5,4188.28 h100
  text "NOTE :" at 3800.85,4082.84 h80
  text "1. ALL CORE AND PREPREG THICKNESSES ARE UP TO FAB SHOP TO SELECT." at 3859.9,3955.51 h80
  text "2. EXTERNAL LAYER CU THICKNESSES ARE FINISHED THICKNESS AFTER PLATING." at 3859.9,3807.39 h80
  text "STACKUP" at -460.12,-1152.91 h60
Drill Drawing:
  circle w10: c2889.73,92.19 r30.56
  rectangle: -992.75,-575.77 -867.75,-450.77
  rectangle: -867.75,-700.77 -492.75,-575.77
  lines w7: -992.75,-575.77 7.25,-575.77 ; -867.75,-700.77 -867.75,-450.77 ; -742.75,-700.77 -742.75,-450.77 ; -492.75,-700.77 -492.75,-450.77 ; -242.75,-700.77 -242.75,-450.77 ; -992.75,-700.77 -992.75,-450.77 7.25,-450.77 7.25,-700.77 -992.75,-700.77
  lines w10: 3348.28,2198.06 4597.2,2198.06 ; 2859.18,1849.14 2920.29,1849.14 2920.29,1910.25 2859.18,1910.25 2859.18,1849.14
  lines w15: 2804.11,-117.11 9316.15,-117.11 ; 2804.11,1945.39 9316.15,1945.39 ; 3311.74,-254.61 3311.74,2082.89 ; 3863.26,-254.61 3863.26,2082.89 ; 4909.63,-254.61 4909.63,2082.89 ; 5376.01,-254.61 5376.01,2082.89 ; 6051.33,-254.61 6051.33,2082.89 ; 7033.55,-254.61 7033.55,2082.89 ; 8280.68,-254.61 8280.68,2082.89 ; 2804.11,-254.61 9316.15,-254.61 9316.15,2082.89 2804.11,2082.89 2804.11,-254.61
  text "DRILL CHART :" at 3350.86,2264.28 h100
  text "Symbol" at 2886.61,1986.64 h66
  text "Count" at 3352.99,1986.64 h66
  text "Hole Size" at 3904.51,1986.64 h66
  text "Plated" at 4950.88,1986.64 h66
  text "Hole Type" at 5417.26,1986.64 h66
  text "Hole Length" at 6092.58,1986.64 h66
  text "Routed Path Length" at 7074.8,1986.64 h66
  text "Hole Tolerance" at 8321.93,1986.64 h66
  text "36" at 3352.99,1849.14 h55
  text "7.87mil (0.200mm)" at 3904.51,1849.14 h55
  text "PTH" at 4950.88,1849.14 h55
  text "Round" at 5417.26,1849.14 h55
  text "-" at 6092.58,1849.14 h55
  text "-" at 7074.8,1849.14 h55
  text "4" at 3352.99,1711.64 h55
  text "7.87mil (0.200mm)" at 3904.51,1711.64 h55
  text "PTH" at 4950.88,1711.64 h55
  text "Round" at 5417.26,1711.64 h55
  text "-" at 6092.58,1711.64 h55
  text "-" at 7074.8,1711.64 h55
  text "+0.00mil/-7.87mil" at 8321.93,1711.64 h55
  text "A" at 2859.37,1701.65 h61.11
  text "270" at 3352.99,1574.14 h55
  text "8.00mil (0.203mm)" at 3904.51,1574.14 h55
  text "PTH" at 4950.88,1574.14 h55
  text "Round" at 5417.26,1574.14 h55
  text "-" at 6092.58,1574.14 h55
  text "-" at 7074.8,1574.14 h55
  text "+0.00mil/-4.00mil" at 8321.93,1574.14 h55
  text "B" at 2859.37,1564.15 h61.11
  text "142" at 3352.99,1436.64 h55
  text "12.00mil (0.305mm)" at 3904.51,1436.64 h55
  text "PTH" at 4950.88,1436.64 h55
  text "Round" at 5417.26,1436.64 h55
  text "-" at 6092.58,1436.64 h55
  text "-" at 7074.8,1436.64 h55
  text "+0.00mil/-4.00mil" at 8321.93,1436.64 h55
  text "C" at 2859.37,1426.65 h61.11
  text "23" at 3352.99,1299.14 h55
  text "15.00mil (0.381mm)" at 3904.51,1299.14 h55
  text "PTH" at 4950.88,1299.14 h55
  text "Round" at 5417.26,1299.14 h55
  text "-" at 6092.58,1299.14 h55
  text "-" at 7074.8,1299.14 h55
  text "+0.00mil/-4.00mil" at 8321.93,1299.14 h55
  text "D" at 2859.37,1289.15 h61.11
  text "2" at 3352.99,1161.64 h55
  text "23.62mil (0.600mm)" at 3904.51,1161.64 h55
  text "PTH" at 4950.88,1161.64 h55
  text "Slot" at 5417.26,1161.64 h55
  text "51.18mil (1.300mm)" at 6092.58,1161.64 h55
  text "27.56mil (0.700mm)" at 7074.8,1161.64 h55
  text "+/-3.00mil" at 8321.93,1161.64 h55
  text "E" at 2859.37,1151.65 h61.11
  text "20" at 3352.99,1024.14 h55
  text "27.95mil (0.710mm)" at 3904.51,1024.14 h55
  text "PTH" at 4950.88,1024.14 h55
  text "Round" at 5417.26,1024.14 h55
  text "-" at 6092.58,1024.14 h55
  text "-" at 7074.8,1024.14 h55
  text "+/-3.00mil" at 8321.93,1024.14 h55
  text "F" at 2859.37,1014.15 h61.11
  text "1" at 3352.99,886.64 h55
  text "37.99mil (0.965mm)" at 3904.51,886.64 h55
  text "PTH" at 4950.88,886.64 h55
  text "Round" at 5417.26,886.64 h55
  text "-" at 6092.58,886.64 h55
  text "-" at 7074.8,886.64 h55
  text "+/-3.00mil" at 8321.93,886.64 h55
  text "H" at 2859.37,876.65 h61.11
  text "6" at 3352.99,749.14 h55
  text "39.00mil (0.991mm)" at 3904.51,749.14 h55
  text "NPTH" at 4950.88,749.14 h55
  text "Round" at 5417.26,749.14 h55
  text "-" at 6092.58,749.14 h55
  text "-" at 7074.8,749.14 h55
  text "+/-2.00mil" at 8321.93,749.14 h55
  text "I" at 2869.55,739.15 h61.11
  text "6" at 3352.99,611.64 h55
  text "40.00mil (1.016mm)" at 3904.51,611.64 h55
  text "PTH" at 4950.88,611.64 h55
  text "Round" at 5417.26,611.64 h55
  text "-" at 6092.58,611.64 h55
  text "-" at 7074.8,611.64 h55
  text "+/-3.00mil" at 8321.93,611.64 h55
  text "K" at 2859.37,601.65 h61.11
  text "40" at 3352.99,474.14 h55
  text "40.16mil (1.020mm)" at 3904.51,474.14 h55
  text "PTH" at 4950.88,474.14 h55
  text "Round" at 5417.26,474.14 h55
  text "-" at 6092.58,474.14 h55
  text "-" at 7074.8,474.14 h55
  text "+/-3.00mil" at 8321.93,474.14 h55
  text "L" at 2859.37,464.15 h61.11
  text "8" at 3352.99,336.64 h55
  text "43.31mil (1.100mm)" at 3904.51,336.64 h55
  text "PTH" at 4950.88,336.64 h55
  text "Round" at 5417.26,336.64 h55
  text "-" at 6092.58,336.64 h55
  text "-" at 7074.8,336.64 h55
  text "+/-3.00mil" at 8321.93,336.64 h55
  text "M" at 2859.37,326.65 h61.11
  text "43" at 3352.99,199.14 h55
  text "45.28mil (1.150mm)" at 3904.51,199.14 h55
  text "PTH" at 4950.88,199.14 h55
  text "Round" at 5417.26,199.14 h55
  text "-" at 6092.58,199.14 h55
  text "-" at 7074.8,199.14 h55
  text "+/-3.00mil" at 8321.93,199.14 h55
  text "N" at 2859.37,189.15 h61.11
  text "4" at 3352.99,61.64 h55
  text "118.11mil (3.000mm)" at 3904.51,61.64 h55
  text "NPTH" at 4950.88,61.64 h55
  text "Round" at 5417.26,61.64 h55
  text "-" at 6092.58,61.64 h55
  text "-" at 7074.8,61.64 h55
  text "+/-0.00mil" at 8321.93,61.64 h55
  text "4" at 3352.99,-75.86 h55
  text "125.00mil (3.175mm)" at 3904.51,-75.86 h55
  text "NPTH" at 4950.88,-75.86 h55
  text "Round" at 5417.26,-75.86 h55
  text "-" at 6092.58,-75.86 h55
  text "-" at 7074.8,-75.86 h55
  text "+/-2.00mil" at 8321.93,-75.86 h55
  text "O" at 2859.37,-85.85 h61.11
  text "609 Total" at 3352.99,-213.36 h55
  text "Slot definitions :" at 2886.61,-347.92 h55
  text "Routed Path Length" at 3835.57,-347.92 h55
  text "= Calculated from tool start centre position to tool end centre position." at 4848.68,-347.92 h55
  text "Hole Length" at 3835.57,-441.23 h55
  text "= Routed Path Length + Tool Size = Slot length as defined in the PCB layout" at 4472.97,-441.23 h55
  text "FAB" at -467.21,-1136.22 h60

## Dimensions
1287.93,-164.4 to 2200.85,-275.07 on M2 Board Dimensions
2211.78,136.9 to 2238.93,-99.87 on M2 Board Dimensions
2271.27,2017.26 to 2120.79,-100.74 on M2 Board Dimensions
2200.43,2605.23 to 2200.46,2490.05 on M2 Board Dimensions
-992.75,-700.77 to 7.25,-700.77 on Drill Drawing
12.88,-15.85 to 133.56,-231.92 on M2 Board Dimensions
2200.79,-20.74 to 0,0 on M2 Board Dimensions
0,0 to -99.21,-20.74 on M2 Board Dimensions
0,0 to -19.21,-100.74 on M2 Board Dimensions
0,0 to -19.21,4179.26 on M2 Board Dimensions
2200.72,2489.82 to 2200.79,2294.45 on M2 Board Dimensions
2168.11,-123.36 to 2105.14,-182.77 on M2 Board Dimensions
-110.92,2142.89 to -156.91,2205.17 on M2 Board Dimensions
-99.21,4099.26 to 197.88,4179.26 on M2 Board Dimensions
338.94,4332.46 to 350.27,4425.26 on M2 Board Dimensions
459.69,4179.26 to 690.13,4179.26 on M2 Board Dimensions
2200.79,2294.45 to 2200.79,2017.26 on M2 Board Dimensions
2163.79,4249.6 to 967.31,4179.26 on M2 Board Dimensions
328.62,5241.11 to 247,5167.73 on M2 Board Dimensions
388.99,5362.14 to 501.19,5362.14 on M2 Board Dimensions
333.87,5269.62 to 333.87,5342.46 on M2 Board Dimensions
556.31,5342.46 to 576,5362.14 on M2 Board Dimensions
556.31,5269.62 to 576,5362.14 on M2 Board Dimensions

## Text inside footprints (layer, text, board x,y; h text height)
Logo4: SILKSCREEN BOTTOM "For evaluation only; not FCC approved for resale." at 1673.03,-23.68 h60
P1: SILKSCREEN TOP "10" at 132.35,870.26 h30; SILKSCREEN TOP "30" at 217.99,869.02 h30
P2: SILKSCREEN TOP "P4" at 1799.76,1952.64 h30; SILKSCREEN TOP "20" at 1917.57,1920.08 h25; SILKSCREEN TOP "11" at 1933.7,870.26 h30; SILKSCREEN TOP "31" at 1830.7,870.26 h30; SILKSCREEN TOP "40" at 1837.83,1920.08 h25
ZZ5: AST "Install label in silkscreened box after final wash.  Text shall be 8 pt font.  Text shall be per the Label Table in the PDF schematic." at -1011.35,4475.94 h40